# KiCad board panel-support-52-blue.kicad_pcb (continued)
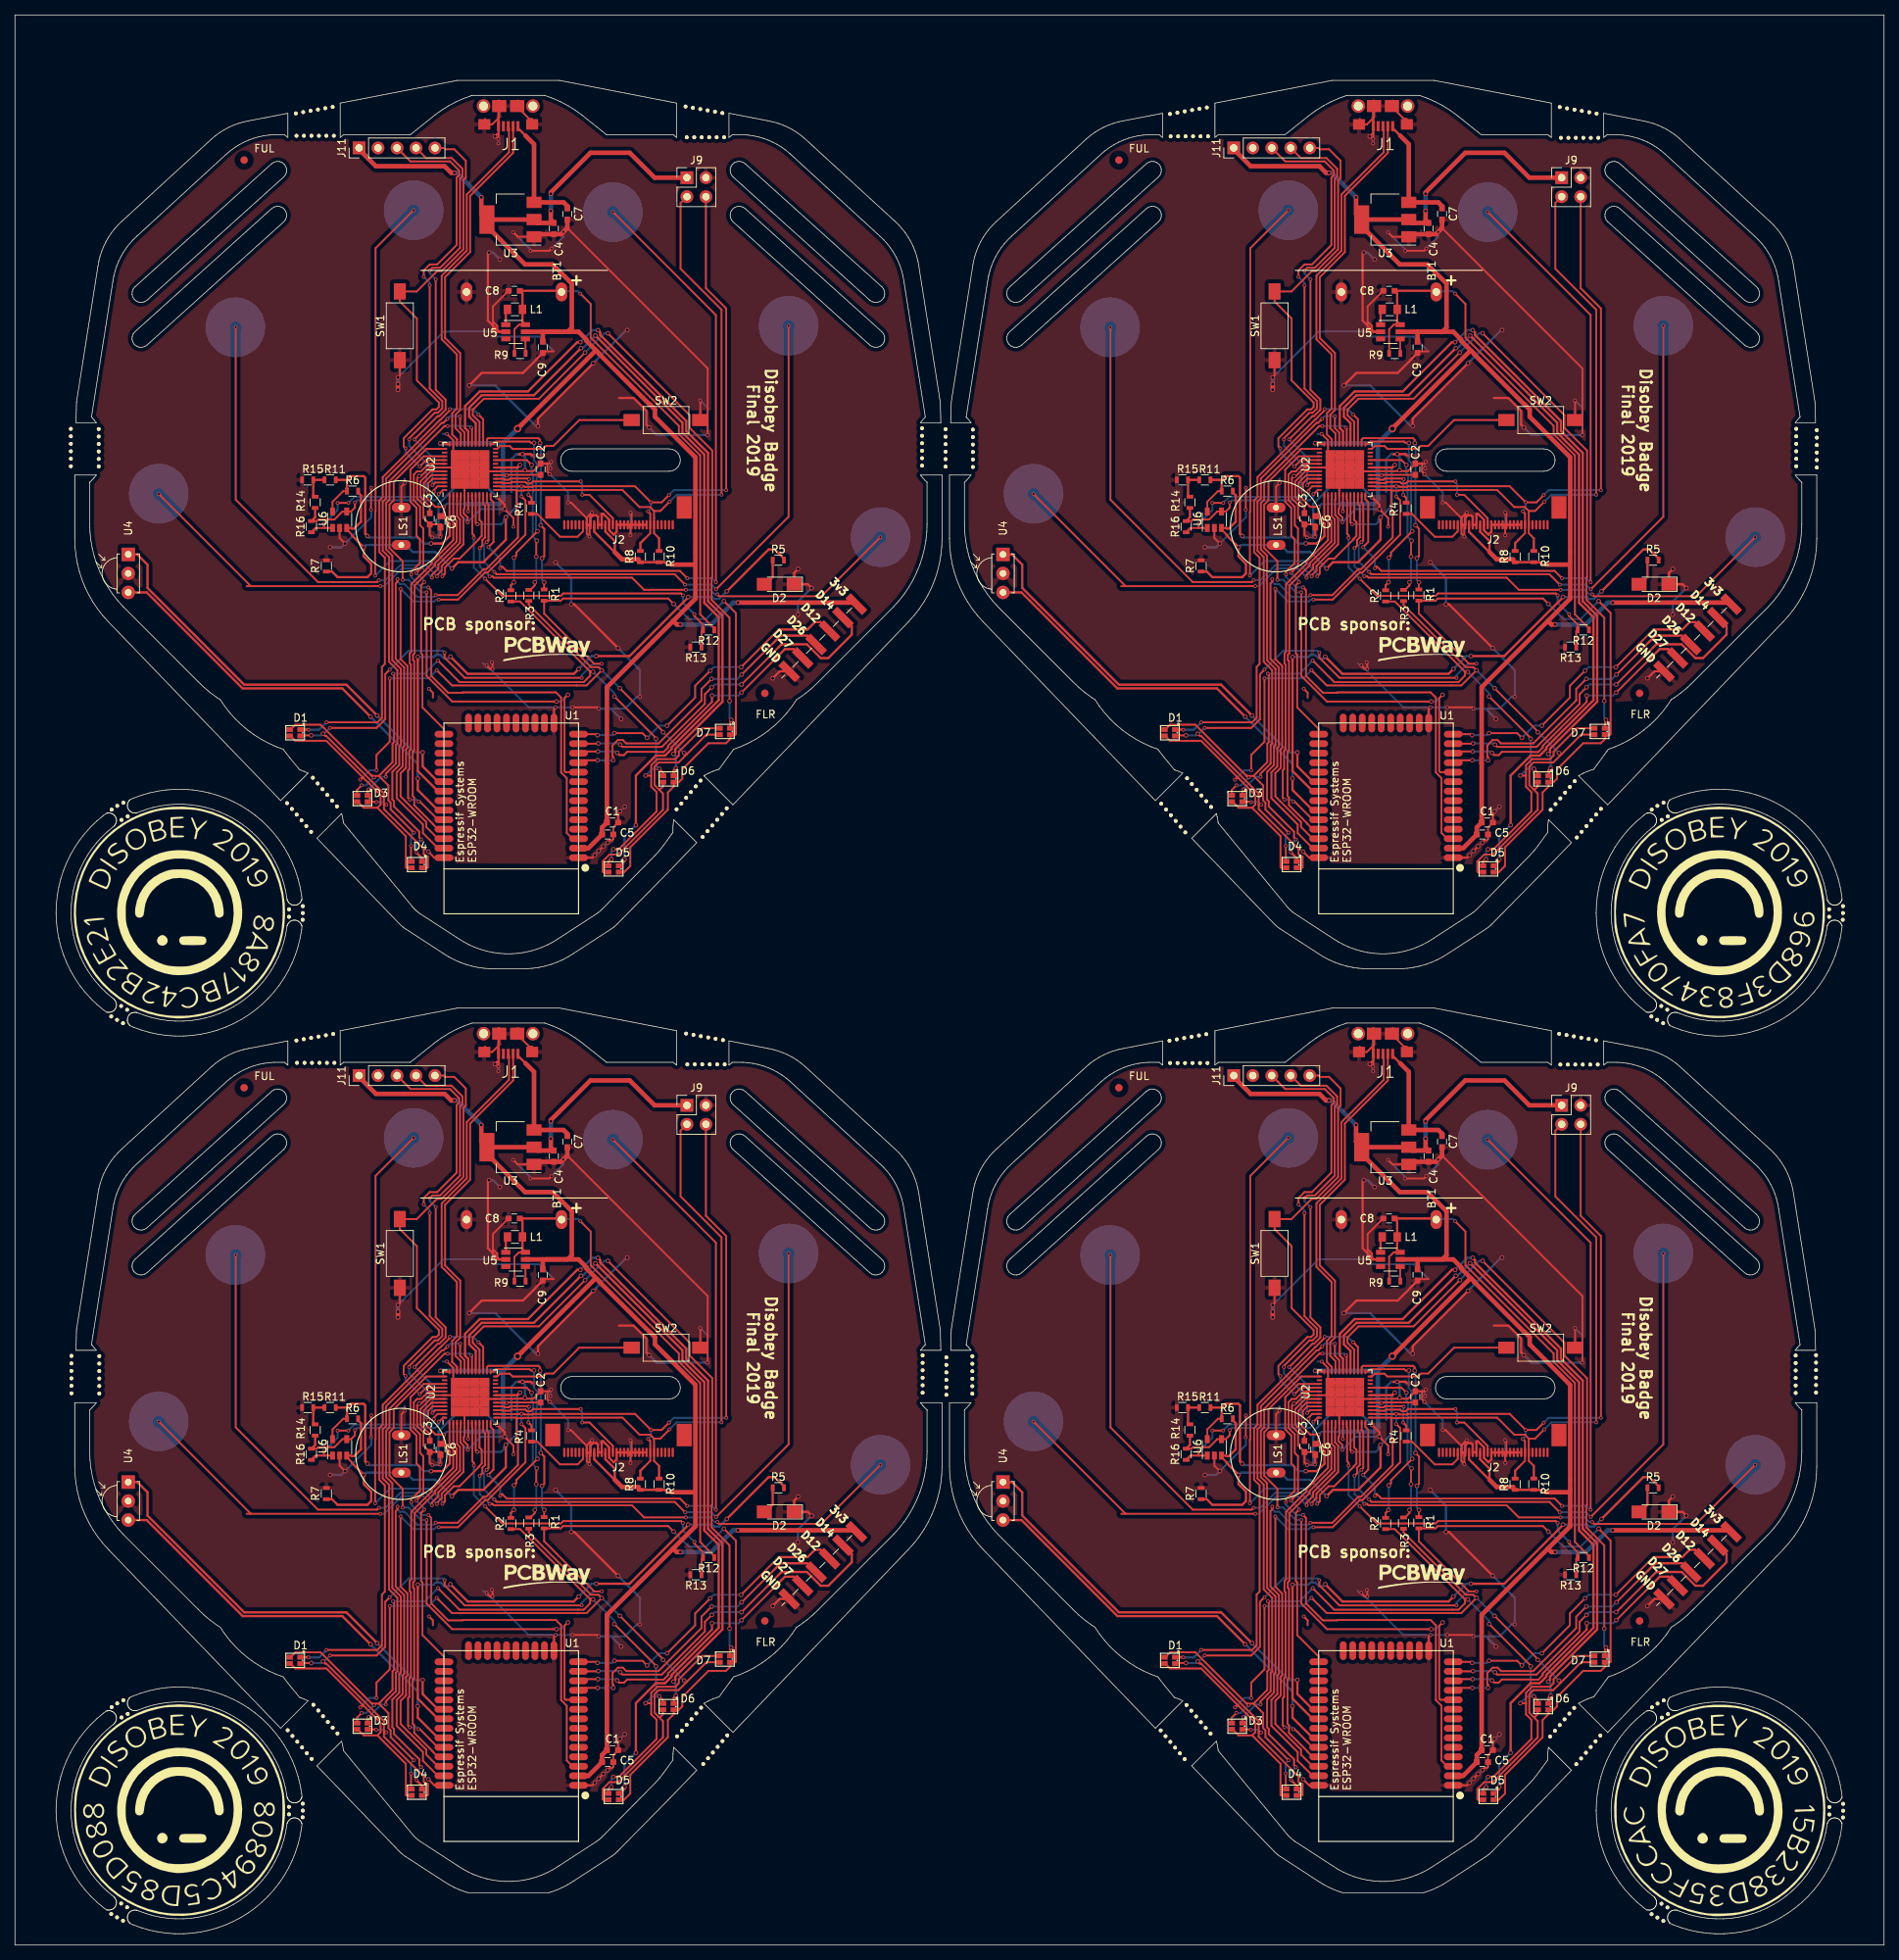
[diagram p0: board, top side]
## Placement (name value [footprint] x y rotation side) (continued)
REF**#147  mousebite  [MountingHole_2.2mm_M2]  7.55 75.75 180 top
REF**#148  mousebite  [MountingHole_2.2mm_M2]  7.55 78.75 180 top
REF**#149  mousebite  [MountingHole_2.2mm_M2]  7.55 76.75 180 top
REF**#150  mousebite  [MountingHole_2.2mm_M2]  7.55 77.75 180 top
REF**#151  mousebite  [MountingHole_2.2mm_M2]  37.12 27.95 40 top
REF**#152  mousebite  [MountingHole_2.2mm_M2]  38.4 26.41 40 top
REF**#153  mousebite  [MountingHole_2.2mm_M2]  39.69 24.88 40 top
REF**#154  mousebite  [MountingHole_2.2mm_M2]  36.47 28.71 40 top
REF**#155  mousebite  [MountingHole_2.2mm_M2]  39.04 25.65 40 top
REF**#156  mousebite  [MountingHole_2.2mm_M2]  37.76 27.18 40 top
REF**#157  mousebite  [MountingHole_2.2mm_M2]  11.28 74.72 180 top
REF**#158  mousebite  [MountingHole_2.2mm_M2]  11.28 76.72 180 top
REF**#159  mousebite  [MountingHole_2.2mm_M2]  11.28 78.72 180 top
REF**#160  mousebite  [MountingHole_2.2mm_M2]  11.28 73.72 180 top
REF**#161  mousebite  [MountingHole_2.2mm_M2]  11.28 75.72 180 top
REF**#162  mousebite  [MountingHole_2.2mm_M2]  11.28 77.72 180 top
REF**#163  mousebite  [MountingHole_2.2mm_M2]  206.7 117.7 90 top
REF**#164  mousebite  [MountingHole_2.2mm_M2]  211.7 117.7 90 top
REF**#165  mousebite  [MountingHole_2.2mm_M2]  209.7 117.7 90 top
REF**#166  mousebite  [MountingHole_2.2mm_M2]  210.7 117.7 90 top
REF**#167  mousebite  [MountingHole_2.2mm_M2]  208.7 117.7 90 top
REF**#168  mousebite  [MountingHole_2.2mm_M2]  207.7 117.7 90 top
REF**#169  mousebite  [MountingHole_2.2mm_M2]  157.37 121.41 100 top
REF**#170  mousebite  [MountingHole_2.2mm_M2]  158.36 121.58 100 top
REF**#171  mousebite  [MountingHole_2.2mm_M2]  154.42 120.89 100 top
REF**#172  mousebite  [MountingHole_2.2mm_M2]  156.39 121.24 100 top
REF**#173  mousebite  [MountingHole_2.2mm_M2]  159.34 121.76 100 top
REF**#174  mousebite  [MountingHole_2.2mm_M2]  155.4 121.06 100 top
REF**#175  mousebite  [MountingHole_2.2mm_M2]  238.18 74.8 180 top
REF**#176  mousebite  [MountingHole_2.2mm_M2]  238.18 75.8 180 top
REF**#177  mousebite  [MountingHole_2.2mm_M2]  238.18 73.8 180 top
REF**#178  mousebite  [MountingHole_2.2mm_M2]  238.18 78.8 180 top
REF**#179  mousebite  [MountingHole_2.2mm_M2]  238.18 76.8 180 top
REF**#180  mousebite  [MountingHole_2.2mm_M2]  238.18 77.8 180 top
REF**#181  mousebite  [MountingHole_2.2mm_M2]  158.5 117.9 90 top
REF**#182  mousebite  [MountingHole_2.2mm_M2]  154.5 117.9 90 top
REF**#183  mousebite  [MountingHole_2.2mm_M2]  155.5 117.9 90 top
REF**#184  mousebite  [MountingHole_2.2mm_M2]  156.5 117.9 90 top
REF**#185  mousebite  [MountingHole_2.2mm_M2]  159.5 117.9 90 top
REF**#186  mousebite  [MountingHole_2.2mm_M2]  157.5 117.9 90 top
REF**#187  mousebite  [MountingHole_2.2mm_M2]  211.47 120.94 80 top
REF**#188  mousebite  [MountingHole_2.2mm_M2]  209.5 121.29 80 top
REF**#189  mousebite  [MountingHole_2.2mm_M2]  206.55 121.81 80 top
REF**#190  mousebite  [MountingHole_2.2mm_M2]  208.52 121.46 80 top
REF**#191  mousebite  [MountingHole_2.2mm_M2]  210.49 121.12 80 top
REF**#192  mousebite  [MountingHole_2.2mm_M2]  207.53 121.64 80 top
REF**#193  mousebite  [MountingHole_2.2mm_M2]  159.91 28.26 40 top
REF**#194  mousebite  [MountingHole_2.2mm_M2]  156.7 32.09 40 top
REF**#195  mousebite  [MountingHole_2.2mm_M2]  157.98 30.56 40 top
REF**#196  mousebite  [MountingHole_2.2mm_M2]  158.63 29.79 40 top
REF**#197  mousebite  [MountingHole_2.2mm_M2]  159.27 29.02 40 top
REF**#198  mousebite  [MountingHole_2.2mm_M2]  157.34 31.32 40 top
REF**#199  mousebite  [MountingHole_2.2mm_M2]  124.58 73.55 180 top
REF**#200  mousebite  [MountingHole_2.2mm_M2]  124.58 74.55 180 top
REF**#201  mousebite  [MountingHole_2.2mm_M2]  124.58 75.55 180 top
REF**#202  mousebite  [MountingHole_2.2mm_M2]  124.58 78.55 180 top
REF**#203  mousebite  [MountingHole_2.2mm_M2]  124.58 76.55 180 top
REF**#204  mousebite  [MountingHole_2.2mm_M2]  124.58 77.55 180 top
REF**#205  mousebite  [MountingHole_2.2mm_M2]  153.89 27.92 40 top
REF**#206  mousebite  [MountingHole_2.2mm_M2]  155.18 26.39 40 top
REF**#207  mousebite  [MountingHole_2.2mm_M2]  156.46 24.86 40 top
REF**#208  mousebite  [MountingHole_2.2mm_M2]  153.25 28.69 40 top
REF**#209  mousebite  [MountingHole_2.2mm_M2]  155.82 25.62 40 top
REF**#210  mousebite  [MountingHole_2.2mm_M2]  154.53 27.16 40 top
REF**#211  mousebite  [MountingHole_2.2mm_M2]  128.05 74.7 180 top
REF**#212  mousebite  [MountingHole_2.2mm_M2]  128.05 76.7 180 top
REF**#213  mousebite  [MountingHole_2.2mm_M2]  128.05 78.7 180 top
REF**#214  mousebite  [MountingHole_2.2mm_M2]  128.05 73.7 180 top
REF**#215  mousebite  [MountingHole_2.2mm_M2]  128.05 75.7 180 top
REF**#216  mousebite  [MountingHole_2.2mm_M2]  128.05 77.7 180 top
REF**#217  mousebite  [MountingHole_2.2mm_M2]  241 198.5 180 top
REF**#218  mousebite  [MountingHole_2.2mm_M2]  241 200.5 180 top
REF**#219  mousebite  [MountingHole_2.2mm_M2]  241 199.5 180 top
REF**#220  mousebite  [MountingHole_2.2mm_M2]  241 197.5 180 top
REF**#221  mousebite  [MountingHole_2.2mm_M2]  241 201.5 180 top
REF**#222  mousebite  [MountingHole_2.2mm_M2]  241 202.5 180 top
REF**#223  mousebite  [MountingHole_2.2mm_M2]  240.9 74.85 180 top
REF**#224  mousebite  [MountingHole_2.2mm_M2]  240.9 76.85 180 top
REF**#225  mousebite  [MountingHole_2.2mm_M2]  240.9 75.85 180 top
REF**#226  mousebite  [MountingHole_2.2mm_M2]  240.9 78.85 180 top
REF**#227  mousebite  [MountingHole_2.2mm_M2]  240.9 73.85 180 top
REF**#228  mousebite  [MountingHole_2.2mm_M2]  240.9 77.85 180 top
REF**#229  -  [mousebite]  14.25 150.4 0 top
REF**#230  -  [mousebite]  15.08 150.88 0 top
REF**#231  -  [mousebite]  12.93 151.77 0 top
REF**#232  -  [mousebite]  13.68 152.27 0 top
REF**#233  -  [mousebite]  14.5 152.7 0 top
REF**#234  -  [mousebite]  36.65 138.45 0 top
REF**#235  -  [mousebite]  36.65 137.45 0 top
REF**#236  -  [mousebite]  38.5 138.88 0 top
REF**#237  -  [mousebite]  38.5 137.95 0 top
REF**#238  -  [mousebite]  38.48 137.05 0 top
REF**#239  -  [mousebite]  14.2 125.52 0 top
REF**#240  -  [mousebite]  15 125.02 0 top
REF**#241  -  [mousebite]  12.88 124.12 0 top
REF**#242  -  [mousebite]  13.65 123.67 0 top
REF**#243  -  [mousebite]  14.45 123.22 0 top
REF**#244  -  [mousebite]  220.45 123.22 0 top
REF**#245  -  [mousebite]  14.45 3.25 0 top
REF**#246  -  [mousebite]  220.48 3.22 0 top
REF**#247  -  [mousebite]  219.65 123.67 0 top
REF**#248  -  [mousebite]  13.65 3.7 0 top
REF**#249  -  [mousebite]  219.68 3.67 0 top
REF**#250  -  [mousebite]  218.88 124.12 0 top
REF**#251  -  [mousebite]  12.88 4.15 0 top
REF**#252  -  [mousebite]  218.9 4.12 0 top
REF**#253  -  [mousebite]  221 125.02 0 top
REF**#254  -  [mousebite]  15 5.05 0 top
REF**#255  -  [mousebite]  221.03 5.03 0 top
REF**#256  -  [mousebite]  220.2 125.52 0 top
REF**#257  -  [mousebite]  14.2 5.55 0 top
REF**#258  -  [mousebite]  220.23 5.53 0 top
REF**#259  -  [mousebite]  244.48 137.05 0 top
REF**#260  -  [mousebite]  38.48 17.07 0 top
REF**#261  -  [mousebite]  244.5 17.05 0 top
REF**#262  -  [mousebite]  244.5 137.95 0 top
REF**#263  -  [mousebite]  38.5 17.97 0 top
REF**#264  -  [mousebite]  244.53 17.95 0 top
REF**#265  -  [mousebite]  244.5 138.88 0 top
REF**#266  -  [mousebite]  38.5 18.9 0 top
REF**#267  -  [mousebite]  244.53 18.88 0 top
REF**#268  -  [mousebite]  242.65 137.45 0 top
REF**#269  -  [mousebite]  36.65 17.47 0 top
REF**#270  -  [mousebite]  242.68 17.45 0 top
REF**#271  -  [mousebite]  242.65 138.45 0 top
REF**#272  -  [mousebite]  36.65 18.47 0 top
REF**#273  -  [mousebite]  242.68 18.45 0 top
REF**#274  -  [mousebite]  220.5 152.7 0 top
REF**#275  -  [mousebite]  14.5 32.72 0 top
REF**#276  -  [mousebite]  220.53 32.7 0 top
REF**#277  -  [mousebite]  219.68 152.27 0 top
REF**#278  -  [mousebite]  13.68 32.3 0 top
REF**#279  -  [mousebite]  219.7 32.28 0 top
REF**#280  -  [mousebite]  218.93 151.77 0 top
REF**#281  -  [mousebite]  12.93 31.8 0 top
REF**#282  -  [mousebite]  218.95 31.78 0 top
REF**#283  -  [mousebite]  221.08 150.88 0 top
REF**#284  -  [mousebite]  15.08 30.9 0 top
REF**#285  -  [mousebite]  221.1 30.88 0 top
REF**#286  -  [mousebite]  220.25 150.4 0 top
REF**#287  -  [mousebite]  14.25 30.42 0 top
REF**#288  -  [mousebite]  220.28 30.4 0 top
REF**#289  mousebite  [MountingHole_2.2mm_M2]  89.13 152.59 320 bottom
REF**#290  mousebite  [MountingHole_2.2mm_M2]  91.06 154.89 320 bottom
REF**#291  mousebite  [MountingHole_2.2mm_M2]  89.77 153.36 320 bottom
REF**#292  mousebite  [MountingHole_2.2mm_M2]  90.42 154.12 320 bottom
REF**#293  mousebite  [MountingHole_2.2mm_M2]  88.49 151.82 320 bottom
REF**#294  mousebite  [MountingHole_2.2mm_M2]  91.7 155.65 320 bottom
REF**#295  mousebite  [MountingHole_2.2mm_M2]  95.2 151.95 320 bottom
REF**#296  mousebite  [MountingHole_2.2mm_M2]  92.63 148.89 320 bottom
REF**#297  mousebite  [MountingHole_2.2mm_M2]  91.99 148.12 320 bottom
REF**#298  mousebite  [MountingHole_2.2mm_M2]  94.56 151.19 320 bottom
REF**#299  mousebite  [MountingHole_2.2mm_M2]  93.92 150.42 320 bottom
REF**#300  mousebite  [MountingHole_2.2mm_M2]  93.27 149.66 320 bottom
REF**#301  mousebite  [MountingHole_2.2mm_M2]  207.98 154.81 320 bottom
REF**#302  mousebite  [MountingHole_2.2mm_M2]  208.63 155.58 320 bottom
REF**#303  mousebite  [MountingHole_2.2mm_M2]  206.06 152.51 320 bottom
REF**#304  mousebite  [MountingHole_2.2mm_M2]  205.41 151.75 320 bottom
REF**#305  mousebite  [MountingHole_2.2mm_M2]  207.34 154.05 320 bottom
REF**#306  mousebite  [MountingHole_2.2mm_M2]  206.7 153.28 320 bottom
REF**#307  mousebite  [MountingHole_2.2mm_M2]  210.84 150.35 320 bottom
REF**#308  mousebite  [MountingHole_2.2mm_M2]  211.48 151.11 320 bottom
REF**#309  mousebite  [MountingHole_2.2mm_M2]  209.56 148.81 320 bottom
REF**#310  mousebite  [MountingHole_2.2mm_M2]  210.2 149.58 320 bottom
REF**#311  mousebite  [MountingHole_2.2mm_M2]  212.13 151.88 320 bottom
REF**#312  mousebite  [MountingHole_2.2mm_M2]  208.91 148.05 320 bottom
REF**#313  mousebite  [MountingHole_2.2mm_M2]  91.13 30.96 320 bottom
REF**#314  mousebite  [MountingHole_2.2mm_M2]  89.85 29.43 320 bottom
REF**#315  mousebite  [MountingHole_2.2mm_M2]  88.56 27.9 320 bottom
REF**#316  mousebite  [MountingHole_2.2mm_M2]  89.21 28.66 320 bottom
REF**#317  mousebite  [MountingHole_2.2mm_M2]  90.49 30.2 320 bottom
REF**#318  mousebite  [MountingHole_2.2mm_M2]  91.78 31.73 320 bottom
REF**#319  mousebite  [MountingHole_2.2mm_M2]  95.28 28.03 320 bottom
REF**#320  mousebite  [MountingHole_2.2mm_M2]  94.63 27.26 320 bottom
REF**#321  mousebite  [MountingHole_2.2mm_M2]  92.06 24.2 320 bottom
REF**#322  mousebite  [MountingHole_2.2mm_M2]  92.71 24.96 320 bottom
REF**#323  mousebite  [MountingHole_2.2mm_M2]  93.99 26.5 320 bottom
REF**#324  mousebite  [MountingHole_2.2mm_M2]  93.35 25.73 320 bottom
REF**#325  mousebite  [MountingHole_2.2mm_M2]  207.91 30.94 320 bottom
REF**#326  mousebite  [MountingHole_2.2mm_M2]  206.62 29.41 320 bottom
REF**#327  mousebite  [MountingHole_2.2mm_M2]  205.34 27.87 320 bottom
REF**#328  mousebite  [MountingHole_2.2mm_M2]  205.98 28.64 320 bottom
REF**#329  mousebite  [MountingHole_2.2mm_M2]  207.27 30.17 320 bottom
REF**#330  mousebite  [MountingHole_2.2mm_M2]  208.55 31.7 320 bottom
REF**#331  mousebite  [MountingHole_2.2mm_M2]  212.05 28 320 bottom
REF**#332  mousebite  [MountingHole_2.2mm_M2]  211.41 27.24 320 bottom
REF**#333  mousebite  [MountingHole_2.2mm_M2]  208.84 24.17 320 bottom
REF**#334  mousebite  [MountingHole_2.2mm_M2]  209.48 24.94 320 bottom
REF**#335  mousebite  [MountingHole_2.2mm_M2]  210.77 26.47 320 bottom
REF**#336  mousebite  [MountingHole_2.2mm_M2]  210.12 25.71 320 bottom
SW1  SW_Push  [SW_SPST_FSMSM]  51.48 216.45 90 top
SW1#2  SW_Push  [SW_SPST_FSMSM]  168.48 216.45 90 top
SW1#3  SW_Push  [SW_SPST_FSMSM]  51.48 92.45 90 top
SW1#4  SW_Push  [SW_SPST_FSMSM]  168.48 92.45 90 top
SW2  SW_Push  [SW_SPST_FSMSM]  87.08 203.85 0 top
SW2#2  SW_Push  [SW_SPST_FSMSM]  204.08 203.85 0 top
SW2#3  SW_Push  [SW_SPST_FSMSM]  87.08 79.85 0 top
SW2#4  SW_Push  [SW_SPST_FSMSM]  204.08 79.85 0 top
U1  -  [ESP32-WROOM]  66.38 150.6 0 top
U1#2  -  [ESP32-WROOM]  183.38 150.6 0 top
U1#3  -  [ESP32-WROOM]  66.38 26.6 0 top
U1#4  -  [ESP32-WROOM]  183.38 26.6 0 top
U2  SAMD21G15A-MU  [QFN-48-1EP_7x7mm_Pitch0.5mm]  60.88 197.25 90 top
U2#2  SAMD21G15A-MU  [QFN-48-1EP_7x7mm_Pitch0.5mm]  177.88 197.25 90 top
U2#3  SAMD21G15A-MU  [QFN-48-1EP_7x7mm_Pitch0.5mm]  60.88 73.25 90 top
U2#4  SAMD21G15A-MU  [QFN-48-1EP_7x7mm_Pitch0.5mm]  177.88 73.25 90 top
U3  AZ1117-3.3  [SOT-223-3_TabPin2]  66.28 230.65 180 top
U3#2  AZ1117-3.3  [SOT-223-3_TabPin2]  183.28 230.65 180 top
U3#3  AZ1117-3.3  [SOT-223-3_TabPin2]  66.28 106.65 180 top
U3#4  AZ1117-3.3  [SOT-223-3_TabPin2]  183.28 106.65 180 top
U4  TSMP58000  [IRReceiver_Vishay_MINICAST-3pin]  15.15 185.89 270 top
U4#2  TSMP58000  [IRReceiver_Vishay_MINICAST-3pin]  132.15 185.89 270 top
U4#3  TSMP58000  [IRReceiver_Vishay_MINICAST-3pin]  15.15 61.89 270 top
U4#4  TSMP58000  [IRReceiver_Vishay_MINICAST-3pin]  132.15 61.89 270 top
U5  AAT1217ICA-3.3-T1  [TSOT-23-6]  66.97 215.65 0 top
U5#2  AAT1217ICA-3.3-T1  [TSOT-23-6]  183.97 215.65 0 top
U5#3  AAT1217ICA-3.3-T1  [TSOT-23-6]  66.97 91.65 0 top
U5#4  AAT1217ICA-3.3-T1  [TSOT-23-6]  183.97 91.65 0 top
U6  MCP6001  [SOT-23-5]  43.43 190.53 90 top
U6#2  MCP6001  [SOT-23-5]  160.43 190.53 90 top
U6#3  MCP6001  [SOT-23-5]  43.43 66.53 90 top
U6#4  MCP6001  [SOT-23-5]  160.43 66.53 90 top

## Footprints (pads in the part's own frame, mm; a bottom-side part is the same pattern mirrored in y, then rotated)
AAAx2holder
  oval 2.524x1.5 hole 1.02: 1(23.615,-6.35) 2(23.615,6.35)
ARGB-0606
  rect 0.85x0.65 smd: 1(0.725,0.425) 2(0.725,-0.425) 3(-0.725,0.425) 4(-0.725,-0.425)
C_0603
  rect 0.8x0.75 smd: 1(-0.75,0) 2(0.75,0)
C_0805
  rect 1x1.25 smd: 1(-1,0) 2(1,0)
ER-CON30HB-1
  oval 0.3x1.25 smd: 1(7.25,0) 2(6.75,0) 3(6.25,0) 4(5.75,0) 5(5.25,0) 6(4.75,0) 7(4.25,0) 8(3.75,0) 9(3.25,0) 10(2.75,0) 11(2.25,0) 12(1.75,0) 13(1.25,0) 14(0.75,0) 15(0.25,0) 16(-0.25,0) 17(-0.75,0) 18(-1.25,0) 19(-1.75,0) 20(-2.25,0) 21(-2.75,0) 22(-3.25,0) 23(-3.75,0) 24(-4.25,0) 25(-4.75,0) 26(-5.25,0) 27(-5.75,0) 28(-6.25,0) 29(-6.75,0) 30(-7.25,0)
  rect 2x3 smd: 31(-8.79,-2.325) 31(8.79,-2.325)
ESP32-WROOM
  oval 2.5x0.9 smd: 1(9,-5.25) 2(9,-3.98) 3(9,-2.71) 4(9,-1.44) 5(9,-0.17) 6(9,1.1) 7(9,2.37) 8(9,3.64) 9(9,4.91) 10(9,6.18) 11(9,7.45) 12(9,8.72) 13(9,9.99) 14(9,11.26) 25(-9,11.26) 26(-9,9.99) 27(-9,8.72) 28(-9,7.45) 29(-9,6.18) 30(-9,4.91) 31(-9,3.64) 32(-9,2.37) 33(-9,1.1) 34(-9,-0.17) 35(-9,-1.44) 36(-9,-2.71) 37(-9,-3.98) 38(-9,-5.25)
  oval 0.9x2.5 smd: 15(5.715,12.75) 16(4.445,12.75) 17(3.175,12.75) 18(1.905,12.75) 19(0.635,12.75) 20(-0.635,12.75) 21(-1.905,12.75) 22(-3.175,12.75) 23(-4.445,12.75) 24(-5.715,12.75)
Fiducial_1mm_Dia_2.54mm_Outer_CopperTop
  round 1 smd: ~(0,0)
IRReceiver_Vishay_MINICAST-3pin
  rect 1.8x1.8 hole 0.9: 1(0,0)
  round 1.8 hole 0.9: 2(2.54,0) 3(5.08,0)
LED_1206_HandSoldering
  rect 2x1.7 smd: 1(-2,0) 2(2,0)
Measurement_Point_Round-SMD-Pad_Big
  round 8 smd: 1(0,0)
MICROUSB
  rect 0.4x1.35 smd: 1(-1.3,4.15) 2(-0.65,4.15) 3(0,4.15) 4(0.65,4.15) 5(1.3,4.15)
  rect 1.6x1.4 smd: 5(-3.2,3.9) 5(3.2,3.9)
  rect 1.9x1.6 smd: 5(-1.2,1.45) 5(1.2,1.45)
  round 1.8 hole 1.2: POST(-3.3,1.45) POST(3.3,1.45)
MountingHole_2.2mm_M2
  round 0.5 hole 0.5 unplated: (0,0)
mousebite
  round 0.5 hole 0.5 unplated: (0,0)
Piezo-PS1240P02BT
  oval 1.3x2.524 hole 0.8: 1(-2.5,0) 2(2.5,0)
Pin_Header_Straight_1x05_Pitch2.54mm
  rect 1.7x1.7 hole 1: 1(0,0)
  oval 1.7x1.7 hole 1: 2(0,-2.54) 3(0,-5.08) 4(0,-7.62) 5(0,-10.16)
Pin_Header_Straight_2x02_Pitch2.54mm
  rect 1.7x1.7 hole 1: 1(0,0)
  oval 1.7x1.7 hole 1: 2(2.54,0) 3(0,-2.54) 4(2.54,-2.54)
Pin_Header_Straight_2x06_Pitch2.54mm_SMD
  rect 3.15x1 smd: 1(-2.525,6.35) 2(-2.525,3.81) 3(-2.525,1.27) 4(-2.525,-1.27) 5(-2.525,-3.81) 6(-2.525,-6.35)
QFN-48-1EP_7x7mm_Pitch0.5mm
  oval 0.7x0.25 smd: 1(-3.4,2.75) 12(-3.4,-2.75) 25(3.4,-2.75) 36(3.4,2.75)
  rect 0.7x0.25 smd: 2(-3.4,2.25) 3(-3.4,1.75) 4(-3.4,1.25) 5(-3.4,0.75) 6(-3.4,0.25) 7(-3.4,-0.25) 8(-3.4,-0.75) 9(-3.4,-1.25) 10(-3.4,-1.75) 11(-3.4,-2.25) 26(3.4,-2.25) 27(3.4,-1.75) 28(3.4,-1.25) 29(3.4,-0.75) 30(3.4,-0.25) 31(3.4,0.25) 32(3.4,0.75) 33(3.4,1.25) 34(3.4,1.75) 35(3.4,2.25)
  oval 0.25x0.7 smd: 13(-2.75,-3.4) 24(2.75,-3.4) 37(2.75,3.4) 48(-2.75,3.4)
  rect 0.25x0.7 smd: 14(-2.25,-3.4) 15(-1.75,-3.4) 16(-1.25,-3.4) 17(-0.75,-3.4) 18(-0.25,-3.4) 19(0.25,-3.4) 20(0.75,-3.4) 21(1.25,-3.4) 22(1.75,-3.4) 23(2.25,-3.4) 38(2.25,3.4) 39(1.75,3.4) 40(1.25,3.4) 41(0.75,3.4) 42(0.25,3.4) 43(-0.25,3.4) 44(-0.75,3.4) 45(-1.25,3.4) 46(-1.75,3.4) 47(-2.25,3.4)
  rect 1.288x1.288 smd: 49(-1.931,1.931) 49(-1.931,0.644) 49(-1.931,-0.644) 49(-1.931,-1.931) 49(-0.644,1.931) 49(-0.644,0.644) 49(-0.644,-0.644) 49(-0.644,-1.931) 49(0.644,1.931) 49(0.644,0.644) 49(0.644,-0.644) 49(0.644,-1.931) 49(1.931,1.931) 49(1.931,0.644) 49(1.931,-0.644) 49(1.931,-1.931)
R_0603
  rect 0.5x0.9 smd: 1(-0.75,0) 2(0.75,0)
SOT-23-5
  rect 1.06x0.65 smd: 1(-1.1,0.95) 2(-1.1,0) 3(-1.1,-0.95) 4(1.1,-0.95) 5(1.1,0.95)
SOT-223-3_TabPin2
  rect 2x1.5 smd: 1(-3.15,2.3) 2(-3.15,0) 3(-3.15,-2.3)
  rect 2x3.8 smd: 2(3.15,0)
SW_SPST_FSMSM
  rect 2.18x1.6 smd: 1(-4.59,0) 2(4.59,0)
TSOT-23-6
  rect 1.22x0.65 smd: 1(-1.31,0.95) 2(-1.31,0) 3(-1.31,-0.95) 4(1.31,-0.95) 5(1.31,0) 6(1.31,0.95)

## Nets
3v3: C1.1 C1#2.1 C1#3.1 C1#4.1 C2.1 C2#2.1 C2#3.1 C2#4.1 C4.1 C4#2.1 C4#3.1 C4#4.1 C5.1 C5#2.1 C5#3.1 C5#4.1 C6.1 C6#2.1 C6#3.1 C6#4.1 C9.1 C9#2.1 C9#3.1 C9#4.1 J2.9 J2.12 J2#2.9 J2#2.12 J2#3.9 J2#3.12 J2#4.9 J2#4.12 J9.1 J9#2.1 J9#3.1 J9#4.1 J10.1 J10#2.1 J10#3.1 J10#4.1 J11.1 J11#2.1 J11#3.1 J11#4.1 R6.1 R6#2.1 R6#3.1 R6#4.1 R8.1 R8#2.1 R8#3.1 R8#4.1 R10.1 R10#2.1 R10#3.1 R10#4.1 R11.2 R11#2.2 R11#3.2 R11#4.2 U1.2 U1#2.2 U1#3.2 U1#4.2 U2.6 U2.17 U2.36 U2.44 U2#2.6 U2#2.17 U2#2.36 U2#2.44 U2#3.6 U2#3.17 U2#3.36 U2#3.44 U2#4.6 U2#4.17 U2#4.36 U2#4.44 U3.2 U3#2.2 U3#3.2 U3#4.2 U5.5 U5#2.5 U5#3.5 U5#4.5 U6.5 U6#2.5 U6#3.5 U6#4.5
GND: BT1.2 BT1#2.2 BT1#3.2 BT1#4.2 C1.2 C1#2.2 C1#3.2 C1#4.2 C2.2 C2#2.2 C2#3.2 C2#4.2 C3.2 C3#2.2 C3#3.2 C3#4.2 C4.2 C4#2.2 C4#3.2 C4#4.2 C5.2 C5#2.2 C5#3.2 C5#4.2 C6.2 C6#2.2 C6#3.2 C6#4.2 C7.2 C7#2.2 C7#3.2 C7#4.2 C8.2 C8#2.2 C8#3.2 C8#4.2 C9.2 C9#2.2 C9#3.2 C9#4.2 D2.1 D2#2.1 D2#3.1 D2#4.1 J1.5 J1#2.5 J1#3.5 J1#4.5 J2.7 J2.8 J2.10 J2.11 J2.13 J2.15 J2.16 J2.17 J2.18 J2.19 J2.20 J2.21 J2.22 J2.23 J2#2.7 J2#2.8 J2#2.10 J2#2.11 J2#2.13 J2#2.15 J2#2.16 J2#2.17 J2#2.18 J2#2.19 J2#2.20 J2#2.21 J2#2.22 J2#2.23 J2#3.7 J2#3.8 J2#3.10 J2#3.11 J2#3.13 J2#3.15 J2#3.16 J2#3.17 J2#3.18 J2#3.19 J2#3.20 J2#3.21 J2#3.22 J2#3.23 J2#4.7 J2#4.8 J2#4.10 J2#4.11 J2#4.13 J2#4.15 J2#4.16 J2#4.17 J2#4.18 J2#4.19 J2#4.20 J2#4.21 J2#4.22 J2#4.23 J9.2 J9#2.2 J9#3.2 J9#4.2 J10.6 J10#2.6 J10#3.6 J10#4.6 J11.2 J11#2.2 J11#3.2 J11#4.2 LS1.2 LS1#2.2 LS1#3.2 LS1#4.2 R7.2 R7#2.2 R7#3.2 R7#4.2 R13.2 R13#2.2 R13#3.2 R13#4.2 R15.1 R15#2.1 R15#3.1 R15#4.1 SW1.1 SW1#2.1 SW1#3.1 SW1#4.1 SW2.2 SW2#2.2 SW2#3.2 SW2#4.2 U1.1 U1.15 U1.38 U1#2.1 U1#2.15 U1#2.38 U1#3.1 U1#3.15 U1#3.38 U1#4.1 U1#4.15 U1#4.38 U2.5 U2.18 U2.35 U2.42 U2#2.5 U2#2.18 U2#2.35 U2#2.42 U2#3.5 U2#3.18 U2#3.35 U2#3.42 U2#4.5 U2#4.18 U2#4.35 U2#4.42 U3.1 U3#2.1 U3#3.1 U3#4.1 U4.2 U4#2.2 U4#3.2 U4#4.2 U5.2 U5#2.2 U5#3.2 U5#4.2 U6.2 U6#2.2 U6#3.2 U6#4.2
BACKLIGHT: R4.1 R4#2.1 R4#3.1 R4#4.1 U2.16 U2#2.16 U2#3.16 U2#4.16
BAT+: BT1.1 BT1#2.1 BT1#3.1 BT1#4.1 C8.1 C8#2.1 C8#3.1 C8#4.1 L1.1 L1#2.1 L1#3.1 L1#4.1 R9.1 R9#2.1 R9#3.1 R9#4.1 R12.1 R12#2.1 R12#3.1 R12#4.1 U5.6 U5#2.6 U5#3.6 U5#4.6
ESPBL: U1.25 U1#2.25 U1#3.25 U1#4.25 U2.41 U2#2.41 U2#3.41 U2#4.41
ESPRST: U1.3 U1#2.3 U1#3.3 U1#4.3 U2.39 U2#2.39 U2#3.39 U2#4.39
INT: U1.10 U1#2.10 U1#3.10 U1#4.10 U2.37 U2#2.37 U2#3.37 U2#4.37
IRLED: R5.2 R5#2.2 R5#3.2 R5#4.2 U1.31 U1#2.31 U1#3.31 U1#4.31
LCDRST: J2.14 J2#2.14 J2#3.14 J2#4.14 U2.15 U2#2.15 U2#3.15 U2#4.15
MCURST: J11.5 J11#2.5 J11#3.5 J11#4.5 SW1.2 SW1#2.2 SW1#3.2 SW1#4.2 U2.40 U2#2.40 U2#3.40 U2#4.40
PHOTO: U1.30 U1#2.30 U1#3.30 U1#4.30 U4.1 U4#2.1 U4#3.1 U4#4.1
PHOTOPOW: U1.33 U1#2.33 U1#3.33 U1#4.33 U4.3 U4#2.3 U4#3.3 U4#4.3
RXD: U1.34 U1#2.34 U1#3.34 U1#4.34 U2.1 U2#2.1 U2#3.1 U2#4.1
SCL: J2.24 J2#2.24 J2#3.24 J2#4.24 J9.4 J9#2.4 J9#3.4 J9#4.4 R8.2 R8#2.2 R8#3.2 R8#4.2 U1.36 U1#2.36 U1#3.36 U1#4.36 U2.14 U2#2.14 U2#3.14 U2#4.14
SDA: J2.25 J2#2.25 J2#3.25 J2#4.25 J9.3 J9#2.3 J9#3.3 J9#4.3 R10.2 R10#2.2 R10#3.2 R10#4.2 U1.37 U1#2.37 U1#3.37 U1#4.37 U2.13 U2#2.13 U2#3.13 U2#4.13
SPEAKER: LS1.1 LS1#2.1 LS1#3.1 LS1#4.1 R6.2 R6#2.2 R6#3.2 R6#4.2 R7.1 R7#2.1 R7#3.1 R7#4.1 U2.8 U2.19 U2#2.8 U2#2.19 U2#3.8 U2#3.19 U2#4.8 U2#4.19 U6.3 U6#2.3 U6#3.3 U6#4.3
SPEAKER-AMP: R16.1 R16#2.1 R16#3.1 R16#4.1 U2.47 U2#2.47 U2#3.47 U2#4.47 U6.1 U6#2.1 U6#3.1 U6#4.1
TXD: U1.35 U1#2.35 U1#3.35 U1#4.35 U2.2 U2#2.2 U2#3.2 U2#4.2
Net-(C3-Pad1): C3.1 C3#2.1 C3#3.1 C3#4.1 U2.43 U2#2.43 U2#3.43 U2#4.43
Net-(C7-Pad1): C7.1 C7#2.1 C7#3.1 C7#4.1 J1.1 J1#2.1 J1#3.1 J1#4.1 U3.3 U3#2.3 U3#3.3 U3#4.3
Net-(D1-Pad1): D1.1 D1#2.1 D1#3.1 D1#4.1 U2.27 U2#2.27 U2#3.27 U2#4.27
Net-(D1-Pad2): D1.2 D1#2.2 D1#3.2 D1#4.2 D3.2 D3#2.2 D3#3.2 D3#4.2 D4.2 D4#2.2 D4#3.2 D4#4.2 D5.2 D5#2.2 D5#3.2 D5#4.2 D6.2 D6#2.2 D6#3.2 D6#4.2 D7.2 D7#2.2 D7#3.2 D7#4.2 R1.1 R1#2.1 R1#3.1 R1#4.1
Net-(D1-Pad3): D1.3 D1#2.3 D1#3.3 D1#4.3 D3.3 D3#2.3 D3#3.3 D3#4.3 D4.3 D4#2.3 D4#3.3 D4#4.3 D5.3 D5#2.3 D5#3.3 D5#4.3 D6.3 D6#2.3 D6#3.3 D6#4.3 D7.3 D7#2.3 D7#3.3 D7#4.3 R2.1 R2#2.1 R2#3.1 R2#4.1
Net-(D1-Pad4): D1.4 D1#2.4 D1#3.4 D1#4.4 D3.4 D3#2.4 D3#3.4 D3#4.4 D4.4 D4#2.4 D4#3.4 D4#4.4 D5.4 D5#2.4 D5#3.4 D5#4.4 D6.4 D6#2.4 D6#3.4 D6#4.4 D7.4 D7#2.4 D7#3.4 D7#4.4 R3.1 R3#2.1 R3#3.1 R3#4.1
Net-(D2-Pad2): D2.2 D2#2.2 D2#3.2 D2#4.2 R5.1 R5#2.1 R5#3.1 R5#4.1
Net-(D3-Pad1): D3.1 D3#2.1 D3#3.1 D3#4.1 U2.32 U2#2.32 U2#3.32 U2#4.32
Net-(D4-Pad1): D4.1 D4#2.1 D4#3.1 D4#4.1 U2.30 U2#2.30 U2#3.30 U2#4.30
Net-(D5-Pad1): D5.1 D5#2.1 D5#3.1 D5#4.1 U2.29 U2#2.29 U2#3.29 U2#4.29
Net-(D6-Pad1): D6.1 D6#2.1 D6#3.1 D6#4.1 U2.31 U2#2.31 U2#3.31 U2#4.31
Net-(D7-Pad1): D7.1 D7#2.1 D7#3.1 D7#4.1 U2.28 U2#2.28 U2#3.28 U2#4.28
Net-(J1-Pad2): J1.2 J1#2.2 J1#3.2 J1#4.2 U2.33 U2#2.33 U2#3.33 U2#4.33
Net-(J1-Pad3): J1.3 J1#2.3 J1#3.3 J1#4.3 U2.34 U2#2.34 U2#3.34 U2#4.34
Net-(J1-Pad4): J1.4 J1#2.4 J1#3.4 J1#4.4
Net-(J2-Pad1): J2.1 J2#2.1 J2#3.1 J2#4.1
Net-(J2-Pad2): J2.2 J2#2.2 J2#3.2 J2#4.2
Net-(J2-Pad3): J2.3 J2#2.3 J2#3.3 J2#4.3
Net-(J2-Pad4): J2.4 J2#2.4 J2#3.4 J2#4.4
Net-(J2-Pad5): J2.5 J2#2.5 J2#3.5 J2#4.5
Net-(J2-Pad6): J2.6 J2#2.6 J2#3.6 J2#4.6 R4.2 R4#2.2 R4#3.2 R4#4.2
Net-(J2-Pad26): J2.26 J2#2.26 J2#3.26 J2#4.26
Net-(J2-Pad27): J2.27 J2#2.27 J2#3.27 J2#4.27
Net-(J2-Pad28): J2.28 J2#2.28 J2#3.28 J2#4.28
Net-(J2-Pad29): J2.29 J2#2.29 J2#3.29 J2#4.29
Net-(J2-Pad30): J2.30 J2#2.30 J2#3.30 J2#4.30
Net-(J3-Pad1): J3.1 J3#2.1 J3#3.1 J3#4.1 U2.3 U2#2.3 U2#3.3 U2#4.3
Net-(J4-Pad1): J4.1 J4#2.1 J4#3.1 J4#4.1 U2.4 U2#2.4 U2#3.4 U2#4.4
Net-(J5-Pad1): J5.1 J5#2.1 J5#3.1 J5#4.1 U2.9 U2#2.9 U2#3.9 U2#4.9
Net-(J6-Pad1): J6.1 J6#2.1 J6#3.1 J6#4.1 U2.10 U2#2.10 U2#3.10 U2#4.10
Net-(J7-Pad1): J7.1 J7#2.1 J7#3.1 J7#4.1 U2.11 U2#2.11 U2#3.11 U2#4.11
Net-(J8-Pad1): J8.1 J8#2.1 J8#3.1 J8#4.1 U2.12 U2#2.12 U2#3.12 U2#4.12
Net-(J10-Pad2): J10.2 J10#2.2 J10#3.2 J10#4.2 U1.13 U1#2.13 U1#3.13 U1#4.13
Net-(J10-Pad3): J10.3 J10#2.3 J10#3.3 J10#4.3 U1.14 U1#2.14 U1#3.14 U1#4.14
Net-(J10-Pad4): J10.4 J10#2.4 J10#3.4 J10#4.4 U1.11 U1#2.11 U1#3.11 U1#4.11
Net-(J10-Pad5): J10.5 J10#2.5 J10#3.5 J10#4.5 U1.12 U1#2.12 U1#3.12 U1#4.12
Net-(J11-Pad3): J11.3 J11#2.3 J11#3.3 J11#4.3 U2.45 U2#2.45 U2#3.45 U2#4.45
Net-(J11-Pad4): J11.4 J11#2.4 J11#3.4 J11#4.4 U2.46 U2#2.46 U2#3.46 U2#4.46
Net-(L1-Pad2): L1.2 L1#2.2 L1#3.2 L1#4.2 U5.1 U5#2.1 U5#3.1 U5#4.1
Net-(R1-Pad2): R1.2 R1#2.2 R1#3.2 R1#4.2 U2.26 U2#2.26 U2#3.26 U2#4.26
Net-(R2-Pad2): R2.2 R2#2.2 R2#3.2 R2#4.2 U2.25 U2#2.25 U2#3.25 U2#4.25
Net-(R3-Pad2): R3.2 R3#2.2 R3#3.2 R3#4.2 U2.21 U2#2.21 U2#3.21 U2#4.21
Net-(R9-Pad2): R9.2 R9#2.2 R9#3.2 R9#4.2 U5.4 U5#2.4 U5#3.4 U5#4.4
Net-(R11-Pad1): R11.1 R11#2.1 R11#3.1 R11#4.1 R14.1 R14#2.1 R14#3.1 R14#4.1 R15.2 R15#2.2 R15#3.2 R15#4.2
Net-(R12-Pad2): R12.2 R12#2.2 R12#3.2 R12#4.2 R13.1 R13#2.1 R13#3.1 R13#4.1 U2.7 U2#2.7 U2#3.7 U2#4.7
Net-(R14-Pad2): R14.2 R14#2.2 R14#3.2 R14#4.2 R16.2 R16#2.2 R16#3.2 R16#4.2 U2.48 U2#2.48 U2#3.48 U2#4.48 U6.4 U6#2.4 U6#3.4 U6#4.4
Net-(SW2-Pad1): SW2.1 SW2#2.1 SW2#3.1 SW2#4.1 U2.24 U2#2.24 U2#3.24 U2#4.24
Net-(U1-Pad4): U1.4 U1#2.4 U1#3.4 U1#4.4
Net-(U1-Pad5): U1.5 U1#2.5 U1#3.5 U1#4.5
Net-(U1-Pad6): U1.6 U1#2.6 U1#3.6 U1#4.6
Net-(U1-Pad7): U1.7 U1#2.7 U1#3.7 U1#4.7
Net-(U1-Pad8): U1.8 U1#2.8 U1#3.8 U1#4.8
Net-(U1-Pad9): U1.9 U1#2.9 U1#3.9 U1#4.9
Net-(U1-Pad16): U1.16 U1#2.16 U1#3.16 U1#4.16
Net-(U1-Pad17): U1.17 U1#2.17 U1#3.17 U1#4.17
Net-(U1-Pad18): U1.18 U1#2.18 U1#3.18 U1#4.18
Net-(U1-Pad19): U1.19 U1#2.19 U1#3.19 U1#4.19
Net-(U1-Pad20): U1.20 U1#2.20 U1#3.20 U1#4.20
Net-(U1-Pad21): U1.21 U1#2.21 U1#3.21 U1#4.21
Net-(U1-Pad22): U1.22 U1#2.22 U1#3.22 U1#4.22
Net-(U1-Pad23): U1.23 U1#2.23 U1#3.23 U1#4.23
Net-(U1-Pad24): U1.24 U1#2.24 U1#3.24 U1#4.24
Net-(U1-Pad26): U1.26 U1#2.26 U1#3.26 U1#4.26
Net-(U1-Pad27): U1.27 U1#2.27 U1#3.27 U1#4.27
Net-(U1-Pad28): U1.28 U1#2.28 U1#3.28 U1#4.28
Net-(U1-Pad29): U1.29 U1#2.29 U1#3.29 U1#4.29
Net-(U1-Pad32): U1.32 U1#2.32 U1#3.32 U1#4.32
Net-(U2-Pad20): U2.20 U2#2.20 U2#3.20 U2#4.20
Net-(U2-Pad22): U2.22 U2#2.22 U2#3.22 U2#4.22
Net-(U2-Pad23): U2.23 U2#2.23 U2#3.23 U2#4.23
Net-(U2-Pad38): U2.38 U2#2.38 U2#3.38 U2#4.38
Net-(U5-Pad3): U5.3 U5#2.3 U5#3.3 U5#4.3

Pads without a net: FLR ~; FLR#2 ~; FLR#3 ~; FLR#4 ~; FUL ~; FUL#2 ~; FUL#3 ~; FUL#4 ~; J1 POST; J1#2 POST; J1#3 POST; J1#4 POST; J2 31; J2#2 31; J2#3 31; J2#4 31; U2 49; U2#2 49; U2#3 49; U2#4 49

## Via types
v1: diameter 0.5, hole 0.3, Top to Bottom, 536 vias
v2: diameter 0.6, hole 0.4, Top to Bottom, 460 vias
v3: diameter 1, hole 0.6, Top to Bottom, 4 vias

## Routing (per net, layer and track width the routed paths; a pad name or vN(x,y) marks a point on that pad's centre or on a via; arc(x,y) is an arc through that point)
3v3: length 1264.4
  Top w0.25: C6#2.1 174.27,191 174.37,191.1 ; C6#3.1 57.27,67 57.37,67.1 ; C6#4.1 174.27,67 174.37,67.1 ; U6#2.5 159.48,192.92 160.9,194.35 R6#2.1 ; U6#3.5 42.48,68.92 43.9,70.35 R6#3.1 ; U6#4.5 159.48,68.92 160.9,70.35 R6#4.1 ; v1(174.37,192.25) 173.24,192.25 171.7,193.79 171.7,195.47 172.73,196.5 174.48,196.5 ; v1(57.37,68.25) 56.24,68.25 54.7,69.79 54.7,71.47 55.73,72.5 U2#3.44 ; v1(174.37,68.25) 173.24,68.25 171.7,69.79 171.7,71.47 172.73,72.5 U2#4.44 ; U2#2.6 177.63,191.66 v1(177.6,191.64) ; U2#3.6 60.63,67.66 v1(60.6,67.64) ; U2#4.6 177.63,67.66 v1(177.6,67.64) ; C2#2.1 182.85,196.53 v1(182.78,196.45) 182.73,196.5 U2#2.17 ; C2#3.1 65.85,72.52 v1(65.78,72.45) 65.73,72.5 U2#3.17 ; C2#4.1 182.85,72.52 v1(182.78,72.45) 182.73,72.5 U2#4.17 ; v1(60.6,191.64) 60.63,191.66 U2.6 ; R6.1 43.9,194.35 42.48,192.92 U6.5 ; v1(57.37,192.25) 56.24,192.25 54.7,193.79 54.7,195.47 55.73,196.5 57.48,196.5 ; 57.37,191.1 57.27,191 C6.1 ; U2.17 65.73,196.5 v1(65.78,196.45) 65.85,196.53 C2.1
  Top w0.3: v2(164.15,188.35) 163.85,188.65 163.85,196.15 163.65,196.35 161.9,196.35 161.4,195.85 ; v2(47.15,64.35) 46.85,64.65 46.85,72.15 46.65,72.35 44.9,72.35 44.4,71.85 ; v2(164.15,64.35) 163.85,64.65 163.85,72.15 163.65,72.35 161.9,72.35 161.4,71.85 ; 161.4,195.85 R6#2.1 161.4,194.15 ; 161.4,195.85 R11#2.2 ; 44.4,71.85 R6#3.1 44.4,70.15 ; 44.4,71.85 R11#3.2 ; 161.4,71.85 R6#4.1 161.4,70.15 ; 161.4,71.85 R11#4.2 ; v2(172.65,187.35) 174.15,187.35 175.15,188.35 175.15,190.02 174.37,190.8 v1(174.37,192.25) ; v2(55.65,63.35) 57.15,63.35 58.15,64.35 58.15,66.02 57.37,66.8 v1(57.37,68.25) ; v2(172.65,63.35) 174.15,63.35 175.15,64.35 175.15,66.02 174.37,66.8 v1(174.37,68.25) ; 208.02,184.85 208.02,184.7 207.84,184.53 ; 91.02,60.85 91.02,60.7 90.84,60.53 ; 208.02,60.85 208.02,60.7 207.84,60.53 ; 204.83,184.53 204.23,184.53 203.9,184.85 R10#2.1 R8#2.1 200.41,185.09 200.41,185.23 ; 87.83,60.53 87.23,60.53 86.9,60.85 R10#3.1 R8#3.1 83.41,61.09 83.41,61.23 ; 204.83,60.53 204.23,60.53 203.9,60.85 R10#4.1 R8#4.1 200.41,61.09 200.41,61.23 ; J2#2.9 194.48,188.92 197.2,186.2 197.23,186.2 197.23,187.67 195.98,188.92 J2#2.12 ; J2#3.9 77.48,64.92 80.2,62.2 80.23,62.2 80.23,63.67 78.98,64.92 J2#3.12 ; J2#4.9 194.48,64.92 197.2,62.2 197.23,62.2 197.23,63.67 195.98,64.92 J2#4.12 ; v2(173.9,200.75) 173.93,200.72 174.63,200.72 174.7,200.65 U2#2.36 ; v2(56.9,76.75) 56.93,76.72 57.63,76.72 57.7,76.65 U2#3.36 ; v2(173.9,76.75) 173.93,76.72 174.63,76.72 174.7,76.65 U2#4.36 ; v2(47.15,188.35) 46.85,188.65 46.85,196.15 46.65,196.35 44.9,196.35 44.4,195.85 ; 83.41,185.23 83.41,185.09 R8.1 R10.1 86.9,184.85 87.23,184.53 87.83,184.53 ; v2(55.65,187.35) 57.15,187.35 58.15,188.35 58.15,190.02 57.37,190.8 v1(57.37,192.25) ; U2.36 57.7,200.65 57.63,200.72 56.93,200.72 v2(56.9,200.75) ; 44.4,195.85 R6.1 44.4,194.15 ; 44.4,195.85 R11.2 ; 90.84,184.53 91.02,184.7 91.02,184.85 ; J2.9 77.48,188.92 80.2,186.2 80.23,186.2 80.23,187.67 78.98,188.92 J2.12
  Top w0.6: 194.83,213.05 195.15,212.73 195.15,212.67 201.87,205.95 201.92,205.95 202.6,205.27 202.6,204.29 208.02,198.88 208.02,179.98 205.04,177 ; 194.83,213.05 194.58,213.05 v3(184.23,202.7) ; 194.83,213.05 193.43,214.45 193.43,214.6 192.38,215.65 188.08,215.65 ; 77.83,89.05 78.15,88.73 78.15,88.67 84.87,81.95 84.92,81.95 85.6,81.27 85.6,80.29 91.02,74.88 91.02,55.98 88.04,53 ; 77.83,89.05 77.58,89.05 v3(67.23,78.7) ; 77.83,89.05 76.43,90.45 76.43,90.6 75.38,91.65 71.08,91.65 ; 194.83,89.05 195.15,88.73 195.15,88.67 201.87,81.95 201.92,81.95 202.6,81.27 202.6,80.29 208.02,74.88 208.02,55.98 205.04,53 ; 194.83,89.05 194.58,89.05 v3(184.23,78.7) ; 194.83,89.05 193.43,90.45 193.43,90.6 192.38,91.65 188.08,91.65 ; 163.03,240.03 165.28,237.78 174.48,237.78 175.35,236.9 v2(175.78,236.9) ; 46.03,116.03 48.28,113.78 57.48,113.78 58.35,112.9 v2(58.78,112.9) ; 163.03,116.03 165.28,113.78 174.48,113.78 175.35,112.9 v2(175.78,112.9) ; 207.84,184.53 204.83,184.53 ; 90.84,60.53 87.83,60.53 ; 207.84,60.53 204.83,60.53 ; 200.41,185.23 198.2,185.23 197.23,186.2 ; 83.41,61.23 81.2,61.23 80.23,62.2 ; 200.41,61.23 198.2,61.23 197.23,62.2 ; U5#2.5 187.55,215.65 ; 187.55,215.65 188.08,215.65 ; 187.55,215.65 187.6,215.6 C9#2.1 ; U5#3.5 70.55,91.65 ; 70.55,91.65 71.08,91.65 ; 70.55,91.65 70.6,91.6 C9#3.1 ; U5#4.5 187.55,91.65 ; 187.55,91.65 188.08,91.65 ; 187.55,91.65 187.6,91.6 C9#4.1 ; 188.08,215.65 190.93,215.65 191.48,216.2 191.48,222.09 188.92,224.65 185.23,224.65 180.13,229.75 U3#2.2 ; 71.08,91.65 73.93,91.65 74.48,92.2 74.48,98.09 71.92,100.65 68.23,100.65 63.13,105.75 U3#3.2 ; 188.08,91.65 190.93,91.65 191.48,92.2 191.48,98.09 188.92,100.65 185.23,100.65 180.13,105.75 U3#4.2 ; v2(188.68,231.8) 188.68,230.6 C4#2.1 186.88,230.2 U3#2.2 U3#2.2 ; v2(71.68,107.8) 71.68,106.6 C4#3.1 69.88,106.2 U3#3.2 U3#3.2 ; v2(188.68,107.8) 188.68,106.6 C4#4.1 186.88,106.2 U3#4.2 U3#4.2 ; v2(188.68,234.1) 188.68,234.27 193.98,239.57 199.23,239.57 202.55,236.25 J9#2.1 ; v2(71.68,110.1) 71.68,110.27 76.98,115.57 82.23,115.57 85.55,112.25 J9#3.1 ; v2(188.68,110.1) 188.68,110.27 193.98,115.57 199.23,115.57 202.55,112.25 J9#4.1 ; v2(179.38,233.62) 179.38,231.4 U3#2.2 ; v2(62.38,109.62) 62.38,107.4 U3#3.2 ; v2(179.38,109.62) 179.38,107.4 U3#4.2 ; 205.04,177 196.18,168.14 196.18,158.76 196.15,158.73 196.15,157.97 196.18,157.94 C1#2.1 195.53,149.4 C5#2.1 193.7,146.62 U1#2.2 ; 205.04,177 205.52,176.53 v2(206,176.53) ; 88.04,53 79.18,44.14 79.18,34.76 79.15,34.73 79.15,33.97 79.18,33.94 C1#3.1 78.53,25.4 C5#3.1 76.7,22.62 U1#3.2 ; 88.04,53 88.52,52.53 v2(89,52.53) ; 205.04,53 196.18,44.14 196.18,34.76 196.15,34.73 196.15,33.97 196.18,33.94 C1#4.1 195.53,25.4 C5#4.1 193.7,22.62 U1#4.2 ; 205.04,53 205.52,52.53 v2(206,52.53) ; 229.47,179.45 v2(213.7,179.45) ; 112.47,55.45 v2(96.7,55.45) ; 229.47,55.45 v2(213.7,55.45) ; v2(89,176.53) 88.52,176.53 88.04,177 ; U1.2 76.7,146.62 C5.1 78.53,149.4 C1.1 79.18,157.94 79.15,157.97 79.15,158.73 79.18,158.76 79.18,168.14 88.04,177 ; 77.83,213.05 76.43,214.45 76.43,214.6 75.38,215.65 71.08,215.65 ; 77.83,213.05 77.58,213.05 v3(67.23,202.7) ; 77.83,213.05 78.15,212.73 78.15,212.67 84.87,205.95 84.92,205.95 85.6,205.27 85.6,204.29 91.02,198.88 91.02,179.98 88.04,177 ; v2(71.68,231.8) 71.68,230.6 C4.1 69.88,230.2 U3.2 U3.2 ; v2(58.78,236.9) 58.35,236.9 57.48,237.78 48.28,237.78 46.03,240.03 ; U3.2 63.13,229.75 68.23,224.65 71.92,224.65 74.48,222.09 74.48,216.2 73.93,215.65 71.08,215.65 ; U3.2 62.38,231.4 v2(62.38,233.62) ; C9.1 70.6,215.6 70.55,215.65 ; J9.1 85.55,236.25 82.23,239.57 76.98,239.57 71.68,234.27 v2(71.68,234.1) ; 90.84,184.53 87.83,184.53 ; 80.23,186.2 81.2,185.23 83.41,185.23 ; 71.08,215.65 70.55,215.65 ; 70.55,215.65 U5.5 ; 112.47,179.45 v2(96.7,179.45)
  Bottom w0.25: v1(177.6,191.64) 177.6,192.42 177.4,192.62 174.75,192.62 v1(174.37,192.25) ; v1(60.6,67.64) 60.6,68.42 60.4,68.62 57.75,68.62 v1(57.37,68.25) ; v1(177.6,67.64) 177.6,68.42 177.4,68.62 174.75,68.62 v1(174.37,68.25) ; 182.33,196.53 182.4,196.45 v1(182.78,196.45) ; 65.33,72.52 65.4,72.45 v1(65.78,72.45) ; 182.33,72.52 182.4,72.45 v1(182.78,72.45) ; v1(57.37,192.25) 57.75,192.62 60.4,192.62 60.6,192.42 v1(60.6,191.64) ; v1(65.78,196.45) 65.4,196.45 65.33,196.53
  Bottom w0.3: v2(164.15,188.35) 164.35,188.15 170.85,188.15 171.65,187.35 v2(172.65,187.35) ; v2(47.15,64.35) 47.35,64.15 53.85,64.15 54.65,63.35 v2(55.65,63.35) ; v2(164.15,64.35) 164.35,64.15 170.85,64.15 171.65,63.35 v2(172.65,63.35) ; v2(173.9,200.75) 174.23,200.75 ; v2(56.9,76.75) 57.23,76.75 ; v2(173.9,76.75) 174.23,76.75 ; v2(47.15,188.35) 47.35,188.15 53.85,188.15 54.65,187.35 v2(55.65,187.35) ; v2(56.9,200.75) 57.23,200.75
  Bottom w0.6: 177.4,192.62 181.76,192.62 182.33,193.19 182.33,196.53 182.28,196.58 182.28,200.7 182.33,200.75 ; 60.4,68.62 64.76,68.62 65.33,69.19 65.33,72.52 65.28,72.58 65.28,76.7 65.33,76.75 ; 177.4,68.62 181.76,68.62 182.33,69.19 182.33,72.52 182.28,72.58 182.28,76.7 182.33,76.75 ; v3(184.23,202.7) 182.33,200.8 182.33,200.75 ; v3(67.23,78.7) 65.33,76.8 65.33,76.75 ; v3(184.23,78.7) 182.33,76.8 182.33,76.75 ; 182.33,200.75 v2(173.9,200.75) ; 65.33,76.75 v2(56.9,76.75) ; 182.33,76.75 v2(173.9,76.75) ; v2(188.68,234.1) v2(188.68,231.8) ; v2(71.68,110.1) v2(71.68,107.8) ; v2(188.68,110.1) v2(188.68,107.8) ; v2(175.78,236.9) 176.1,236.9 v2(179.38,233.62) ; v2(58.78,112.9) 59.1,112.9 v2(62.38,109.62) ; v2(175.78,112.9) 176.1,112.9 v2(179.38,109.62) ; v2(206,176.53) 210.13,176.53 213.05,179.45 v2(213.7,179.45) ; v2(89,52.53) 93.13,52.53 96.05,55.45 v2(96.7,55.45) ; v2(206,52.53) 210.13,52.53 213.05,55.45 v2(213.7,55.45) ; v3(67.23,202.7) 65.33,200.8 65.33,200.75 ; 60.4,192.62 64.76,192.62 65.33,193.19 65.33,196.53 65.28,196.58 65.28,200.7 65.33,200.75 ; v2(89,176.53) 93.13,176.53 96.05,179.45 v2(96.7,179.45) ; v2(62.38,233.62) 59.1,236.9 v2(58.78,236.9) ; 65.33,200.75 v2(56.9,200.75) ; v2(71.68,234.1) v2(71.68,231.8)
